# Altium PCB openmv-ae3.PcbDoc (part 1 of 3) (continued)
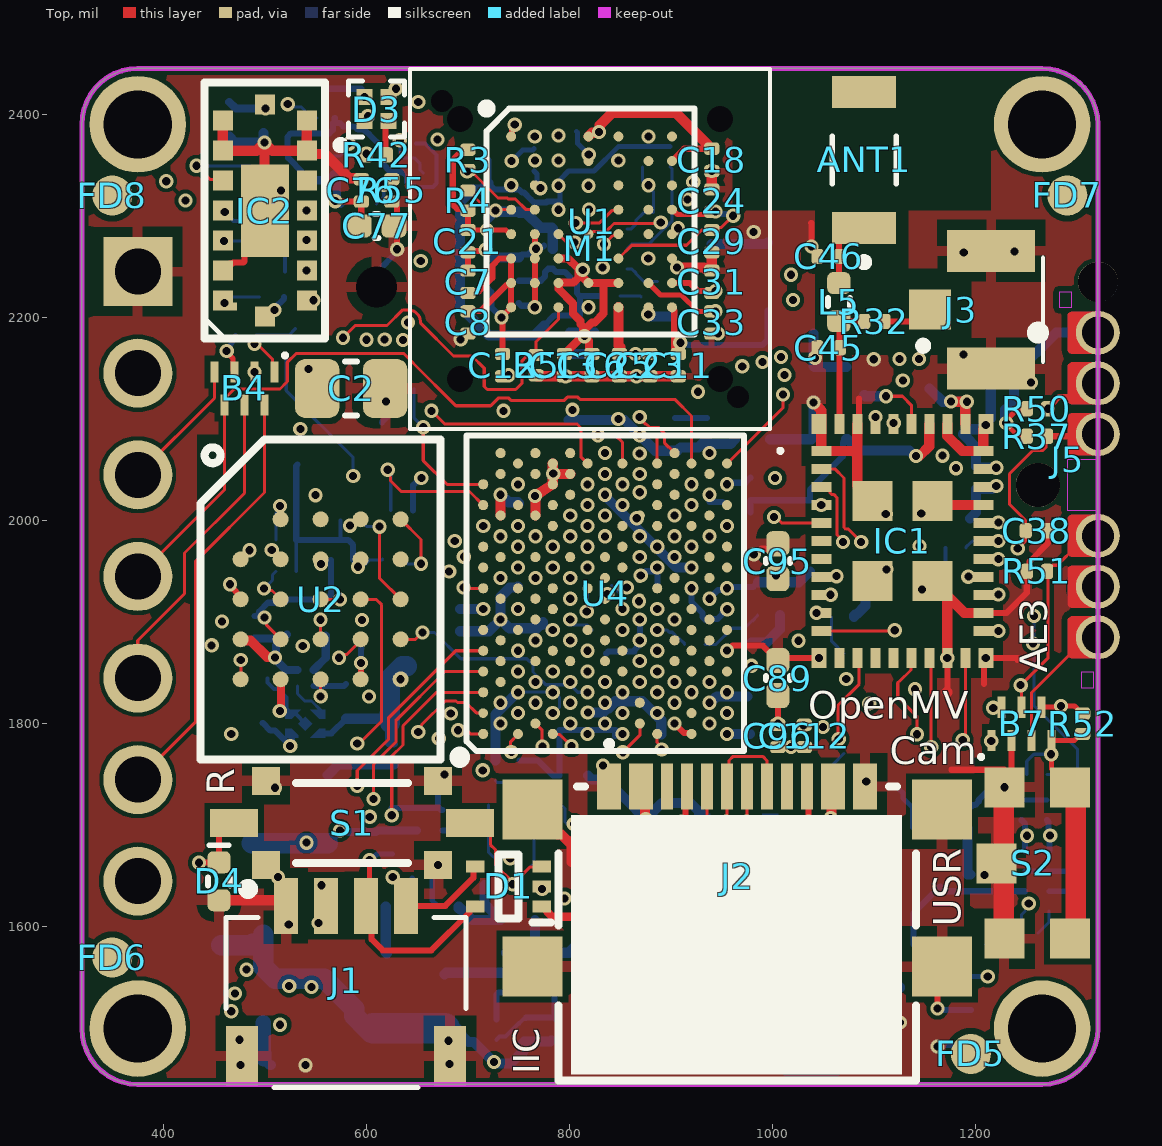
[diagram p0: Top view]
## Footprints (in the part's own frame and the unit in brackets; to place one, negate y for a bottom-side part, rotate by r counter-clockwise, add the part's x,y. Pads: shape width x height; smd on the part's side, far side on the other; paste and mask are expansions set on the pad) (continued)
  silkscreen extent -2.72,-2.81 2.58,2.93, body extent -2.52,-2.74 2.48,2.74, height 0.8
PUSB3TB6AZ [mm]
  rect 0.53x0.2 smd mask+0.05: 1(-0.415,0.75) 2(-0.415,0.25) 3(-0.415,-0.25) 4(-0.415,-0.75) 5(0.415,-0.5) 6(0.415,0) 7(0.415,0.5)
  silkscreen extent -0.88,0.96 -0.78,1.06, body extent -0.6,-1.1 0.6,1.1, height 0.5
R0201#1 [mil] "0201 IPC-7351"
  rrect50% 12x15 smd mask+1.97: 1(-10,0) 2(10,0)
  body extent -12,-6 12,6, height 9
R0201#2 [mil]
  rrect50% 12x15 smd mask+1.97: 1(-11,0) 2(11,0)
  body extent -12,-6 12,6, height 9
SIT1533AIH4AA332768E [mm]
  rect 0.4x1.4 smd: 1(-0.8,0) 3(0.8,0)
  rect 0.3x0.5 smd: 2(-0.1,-0.45) 4(0.1,0.45)
  silkscreen extent -2.9,-0.05 -2.8,0.05, body extent -1.01,-0.6 0.99,0.6, height 0.6
SON45P300X300X80-13N [mm]
  rrect50% 0.85x0.25 smd mask+0.051: 1(-1.45,1.125) 2(-1.45,0.675) 3(-1.45,0.225) 4(-1.45,-0.225) 5(-1.45,-0.675) 6(-1.45,-1.125) 7(1.45,-1.125) 8(1.45,-0.675) 9(1.45,-0.225) 10(1.45,0.225) 11(1.45,0.675) 12(1.45,1.125)
  rect 1.65x2.55 smd paste-0.254 mask+0.051: 13(0,0)
  silkscreen extent -1.81,-1.5 1.5,1.65, body extent -1.5,-1.5 1.5,1.5, height 0.5
SOP65P210X110-6N [mm]
  rect 0.95x0.45 smd: 1(-1.1,0.65) 2(-1.1,0) 3(-1.1,-0.65) 4(1.1,-0.65) 5(1.1,0) 6(1.1,0.65)
  silkscreen extent -1.58,-1 0.28,1.22, body extent -1.05,-1 1.05,1, height 1
SOTFL50P160X60-5N [mm]
  rect 0.46x0.3 smd: 1(-0.83,0.5) 2(-0.83,0) 3(-0.83,-0.5) 4(0.83,-0.5) 5(0.83,0.5)
  silkscreen extent -1.06,-0.8 0.25,0.9, body extent -0.8,-0.8 0.8,0.8, height 0.6
SPH0645LM4H18 [mm]
  rect 0.6x0.522 smd: 1(-0.9,2.074) 2(-0.9,1.252) 4(0.9,1.252) 5(0.9,2.074) 6(0,2.074)
  round 1.624 / inner round 0 / far side round 0 hole 1.024: 3(0,0)
  silkscreen extent -1.8,-1 1.33,2.12, body extent -1.33,-1.04 1.32,2.46, height 0.98
TC7USB42MU,LF(S2E [mm]
  rect 0.757x0.204 smd paste+0 mask+0: 1(-0.645,0.2) 2(-0.645,-0.2) 6(0.645,-0.2) 7(0.645,0.2)
  rect 0.204x0.757 smd paste+0 mask+0: 3(-0.4,-0.848) 4(0,-0.848) 5(0.4,-0.848) 8(0.4,0.848) 9(0,0.848) 10(-0.4,0.848)
  silkscreen extent -1.1,1 -0.9,1.2, body extent -0.7,-0.9 0.7,0.9, height 0.5
TPS62826ADMQR [mm]
  rect 0.6x0.25 smd mask+0.05: 1(-0.65,0.5) 2(-0.65,0) 3(-0.65,-0.5)
  rect 1x0.25 smd mask+0.05: 4(0.45,-0.5) 5(0.45,0) 6(0.45,0.5)
  silkscreen extent -1,0.75 -0.9,0.85, body extent -0.76,-0.74 0.73,0.74, height 0.5
VL53L5CXV0GC1 [mm]
  rect 0.5x0.5 smd: A1(2.25,-1.05) A2(1.5,-1.05) A3(0.75,-1.05) A4(0,-1.05) A5(-0.75,-1.05) A6(-1.5,-1.05) A7(-2.25,-1.05) B1(2.65,0) B7(-2.65,0) C1(2.25,1.05) C2(1.5,1.05) C3(0.75,1.05) C4(0,1.05) C5(-0.75,1.05) C6(-1.5,1.05) C7(-2.25,1.05)
  rect 0.2x0.1 smd: A8(2.4,-0.75)
  rect 2.316x1.2 smd: B4(0,0)
  silkscreen extent -3.2,-1.5 3.2,1.5, body extent -3.54,-2.22 4.19,2.06, height 4.5
VREG_TCR2LN30_LF [mm]
  rect 0.1x0.1 smd paste-1 mask+0: 1(-0.34,0.24) 2(-0.34,-0.24) 3(0.34,-0.24) 4(0.34,0.24) 5(0,0)
  Top region: 0.177,0 0,-0.177 -0.177,0 0,0.177
  Top region: -0.12,-0.35 -0.5,-0.35 -0.5,-0.13 -0.34,-0.13
  Top region: 0.5,0.13 0.34,0.13 0.12,0.35 0.5,0.35
  Top region: 0.5,-0.35 0.12,-0.35 0.34,-0.13 0.5,-0.13
  Top region: -0.18,0.29 -0.34,0.13 -0.5,0.13 -0.5,0.35 -0.18,0.35
  silkscreen extent -1.07,0.28 -0.92,0.42, body extent -0.4,-0.4 0.4,0.4, height 0.4
XTAL_2016 [mm] "2.0x1.6mm"
  rrect20% 0.75x0.7 smd mask+0.05: 1(-0.675,-0.5) 2(0.675,-0.5) 3(0.675,0.5) 4(-0.675,0.5)
  body extent -1,-0.8 1,0.8, height 0.65
XTAL_ABS07-32.768KHZ-7-T [mm] "XTAL_ABS07-32.768KHZ-7-T"
  rect 1.1x1.6 smd: 1(-1.25,0) 2(1.25,0)
  silkscreen extent -0.38,-0.75 0.38,0.75, body extent -1.6,-0.7 1.6,0.7, height 1

## Part data
ANT1: "ABRACON - AMCA31-2R450G-S1F-T3 - ANTENNA, CHIP, 2.45GHZ, 50 OHM, 1206   Source:  Datasheet", MANUFACTURER_NAME=ABRACON, DeviceSetName=AMCA31-2R450G-S1F-T3, GateName_1=G$1, HEIGHT=1.4mm, LibraryName=AMCA31-2R450G-S1F-T3, MANUFACTURER_PART_NUMBER=AMCA31-2R450G-S1F-T3, MOUSER_PART_NUMBER=815-CA312R450GS1FT3, MOUSER_PRICE-STOCK=https://www.mouser.co.uk/ProductDetail/ABRACON/AMCA31-2R450G-S1F-T3?qs=AAveGqk956GLuOddQEK40Q%3D%3D, MPN=AMCA31-2R450G-S1F-T3, Part Number=AMCA31-2R450G-S1F-T3, SymbolName_1=AMCA31-2R450G-S1F-T3
B1: library part TPS62826ADMQR, "Switching Voltage Regulators 2.4-V to 5.5-V input, 1-A step-down converter in 1.5-mm 1.5-mm QFN package", MANUFACTURER_NAME="Texas Instruments", MANUFACTURER_PART_NUMBER=TPS62824DMQR, Mouser Part Number=595-TPS62824DMQR, Datasheet Link=https://www.ti.com/lit/ds/symlink/tps62825a.pdf?ts=1608196934558&ref_url=https%253A%252F%252Fwww.ti.com%252Fstore%252Fti%252Fen%252Fp%252Fproduct%252F%253Fp%253DTPS62825ADMQR%2526keyMatch%253DTPS62825ADMQR%2526tisearch%253DSearch-EN-everything%2526usecase, Geometry.Height=1mm, Mouser Price/Stock=https://www.mouser.co.uk/ProductDetail/Texas-Instruments/TPS62826ADMQR?qs=KUoIvG%2F9Ila3pPUbedlDEw%3D%3D, MPN=TPS62824ADMQR, Part Number=TPS62824ADMQR
B2: library part TPS62826ADMQR, "Switching Voltage Regulators 2.4-V to 5.5-V input, 3-A step-down converter with in 1.5-mm 1.5-mm QFN package", MANUFACTURER_NAME="Texas Instruments", MANUFACTURER_PART_NUMBER=TPS62826DMQR, Mouser Part Number=595-TPS62826DMQR, Datasheet Link=https://www.ti.com/lit/ds/symlink/tps62825a.pdf?ts=1608196934558&ref_url=https%253A%252F%252Fwww.ti.com%252Fstore%252Fti%252Fen%252Fp%252Fproduct%252F%253Fp%253DTPS62825ADMQR%2526keyMatch%253DTPS62825ADMQR%2526tisearch%253DSearch-EN-everything%2526usecase, Geometry.Height=1mm, Mouser Price/Stock=https://www.mouser.co.uk/ProductDetail/Texas-Instruments/TPS62826ADMQR?qs=KUoIvG%2F9Ila3pPUbedlDEw%3D%3D, MPN=TPS62824DMQR, Part Number=TPS62824DMQR
B3: library part TPS62826ADMQR, "Switching Voltage Regulators 2.4-V to 5.5-V input, 1-A step-down converter in 1.5-mm 1.5-mm QFN package", MANUFACTURER_NAME="Texas Instruments", Mouser Part Number=595-TPS62824DMQR, Datasheet Link=https://www.ti.com/lit/ds/symlink/tps62825a.pdf?ts=1608196934558&ref_url=https%253A%252F%252Fwww.ti.com%252Fstore%252Fti%252Fen%252Fp%252Fproduct%252F%253Fp%253DTPS62825ADMQR%2526keyMatch%253DTPS62825ADMQR%2526tisearch%253DSearch-EN-everything%2526usecase, Geometry.Height=1mm, MANUFACTURER_PART_NUMBER=TPS62824DMQR, Mouser Price/Stock=https://www.mouser.co.uk/ProductDetail/Texas-Instruments/TPS62826ADMQR?qs=KUoIvG%2F9Ila3pPUbedlDEw%3D%3D, MPN=TPS62824DMQR, Part Number=TPS62824DMQR
B4 B7: "NEXPERIA - PUSB3TB6AZ - DIODE, ESD PROTECTION, 5.5V, 0.27PF", MANUFACTURER_NAME=Nexperia, Mouser Part Number=771-PUSB3TB6AZ, Datasheet Link=https://assets.nexperia.com/documents/data-sheet/PUSB3TB6.pdf, Geometry.Height=0.5mm, MANUFACTURER_PART_NUMBER=PUSB3TB6AZ, Mouser Price/Stock=https://www.mouser.co.uk/ProductDetail/Nexperia/PUSB3TB6AZ?qs=K2OaAKmNuLgsAI4MRas6Xw%3D%3D, MPN=PUSB3TB6AZ, Part Number=PUSB3TB6AZ
B5 B6: "Dual supply translating transceiver; open drain; auto direction sensing", MANUFACTURER_NAME=Nexperia, Mouser Part Number=771-NXS0102GTX, Datasheet Link=https://assets.nexperia.com/documents/data-sheet/NXS0102.pdf, Geometry.Height=0.5mm, MANUFACTURER_PART_NUMBER=NXS0102GTX, Mouser Price/Stock=https://www.mouser.co.uk/ProductDetail/Nexperia/NXS0102GTX?qs=GBLSl2AkirukzzJX55VgJA%3D%3D, MPN=NXS0102GTX, Part Number=NXS0102GTX
C1 C4 C47 C48 C49 C55 C59 C68 C69 C70 C75 C77 C87 C89 C92 C95 C102 C105 C110 C119: library part CAP0402-CAP, "CapacitorStandard 0603 ceramic capacitor, and 0.1\" leaded capacitor.", MPN=JMK105BBJ475MV-F, DeviceName=0402-CAP, DeviceSetName=CAP, GateName_1=G$1, LibraryName=sfe, Part Number=JMK105BBJ475MV-F, SymbolName_1=CAP
C2 C5 C63 C66 C71 C88 C91 C94 C104: library part 22UF-0805-6.3V-20%, "22ÂµF ceramic capacitors    A capacitor is a passive two-terminal electrical component used to store electrical energy temporarily in an electric field.", MPN=CL21A226MQQNNNE, DeviceName=-0805-6.3V-20%, DeviceSetName=22UF, GateName_1=G$1, LibraryName=SparkFun-Capacitors, PROD_ID=CAP-08402, SymbolName_1=CAP
  C2 C63 C66 C71 C88 C91 C94 C104: Part Number=CL21A226MQQNNNE
C3 C7 C8 C11 C12 C13 C14 C15 C16 C17 C18 C19 C21 C23 C24 C25 C26 C27 C28 C29 C31 C33 C37 C38 C39 C40 C41 C42 C43 C44 C50 C51 C54 C56 C57 C58 C62 C76 C79 C80 C81 C83 C84 C85 C86 C90 C93 C96 C97 C98 C99 C100 C101 C103 C106 C107 C108 C111 C117 C118: library part C-EUC0201, "CAPACITOR, European symbol", MPN=GRM033R60J224ME15D, DeviceName=C0201, DeviceSetName=C-EU, GateName_1=G$1, LibraryName=rcl, Part Number=GRM033R60J224ME15D, POPULARITY=0, SPICEPREFIX=C, SymbolName_1=C-EU
C6 C9 C10 C30 C32 C36 C72 C74 C78 C82: library part CAP_0402, "0402 (1005 Metric) Nick Garner - TeleSense", MPN=JMK105BBJ475MV-F, DeviceSetName=CAP_0402, GateName_1=G$1, LibraryName=0402, SymbolName_1=CAP
C20 C22 C34 C35: library part C-EUC0201, "CAPACITOR, European symbol", DeviceName=C0201, DeviceSetName=C-EU, GateName_1=G$1, LibraryName=rcl, MPN=DNP, Part Number=DNP, POPULARITY=0, SPICEPREFIX=C, SymbolName_1=C-EU
C45: "Chip Capacitor value 1R5   Source:  Datasheet", MANUFACTURER_NAME="Murata Electronics", DeviceSetName=GRM0335C1H1R5BA01D, GateName_1=G$1, HEIGHT=0.33mm, LibraryName=GRM0335C1H1R5BA01D, MANUFACTURER_PART_NUMBER=GRM0335C1H1R5BA01D, MOUSER_PART_NUMBER=81-GRM0335C1H1R5BA1D, MOUSER_PRICE-STOCK=https://www.mouser.co.uk/ProductDetail/Murata-Electronics/GRM0335C1H1R5BA01D?qs=7vGxPDjevFPFqveGwv%252BPUQ%3D%3D, MPN=GRM0335C1H1R5BA01D, Part Number=GRM0335C1H1R5BA01D, SymbolName_1=GRM0335C1H1R5BA01D
C46: library part GRM0335C1H1R5BA01D, "Chip Capacitor value 1R5   Source:  Datasheet", MANUFACTURER_NAME="Murata Electronics", DeviceSetName=GRM0335C1H1R5BA01D, GateName_1=G$1, HEIGHT=0.33mm, LibraryName=GRM0335C1H1R5BA01D, MANUFACTURER_PART_NUMBER=GRM0335C1H1R5BA01D, MOUSER_PART_NUMBER=81-GRM0335C1H1R5BA1D, MOUSER_PRICE-STOCK=https://www.mouser.co.uk/ProductDetail/Murata-Electronics/GRM0335C1H1R5BA01D?qs=7vGxPDjevFPFqveGwv%252BPUQ%3D%3D, MPN=DNP, Part Number=DNP, POPULATE=0, SymbolName_1=GRM0335C1H1R5BA01D
C52: library part CAP0402-CAP, "Capacitor", MPN=VJ0402Y102JXACW1BC, DeviceName=0402-CAP, DeviceSetName=CAP, GateName_1=G$1, LibraryName=sfe, Part Number=VJ0402Y102JXACW1BC, SymbolName_1=CAP
C53: library part C-EUC0201, "CAPACITOR, European symbol", MPN=0402B103K250CT, DeviceSetName=C-EU, GateName_1=G$1, LibraryName=rcl, Part Number=0402B103K250CT, POPULARITY=0, SPICEPREFIX=C, SymbolName_1=C-EU
C60 C61: library part C-EUC0201, "CAPACITOR, European symbol", MPN=GRM0335C1H470GA01J, DeviceName=C0201, GateName_1=G$1, Part Number=GRM0335C1H470GA01J, POPULARITY=0, SPICEPREFIX=C, SymbolName_1=C-EU
C64: library part CAP0402-CAP, "CapacitorStandard 0603 ceramic capacitor, and 0.1\" leaded capacitor.", MPN=CL05A475MP5NRNC, DeviceName=0402-CAP, DeviceSetName=CAP, GateName_1=G$1, LibraryName=sfe, Part Number=CL05A475MP5NRNC, SymbolName_1=CAP
C65 C67 C73 C120: library part CAP0402-CAP, MPN=GRM033R71H121KA12D, DeviceSetName=CAP, GateName_1=G$1, LibraryName=sfe, Part Number=GRM033R71H121KA12D, SymbolName_1=CAP
C109 C112 C113 C114 C115 C116: library part C-EUC0201, "CAPACITOR, European symbol", MPN=CL03A105MQ3CSNC, DeviceName=C0201, DeviceSetName=C-EU, GateName_1=G$1, LibraryName=rcl, Part Number=CL03A105MQ3CSNC, POPULARITY=0, SPICEPREFIX=C, SymbolName_1=C-EU
D1: library part DF5A5.6CJE,LM, "Diode", MANUFACTURER_NAME=Toshiba, Mouser Part Number=757-DF5A6.2CJE,LM, Arrow Part Number=DF5A6.2CJE,LM, HEIGHT=0.6mm, MANUFACTURER_PART_NUMBER=DF5A6.2CJE,LM, MPN=DF5A6.2CJE,LM, Part Number=DF5A6.2CJE,LM
D2: "Diode", MANUFACTURER_NAME="Texas Instruments", MANUFACTURER_PART_NUMBER=c, Mouser Part Number=595-LM66100DCKR, Arrow Part Number=LM66100DCKR, Arrow Price/Stock=null?region=nac, Datasheet Link=http://www.ti.com/lit/gpn/LM66100, HEIGHT=1.1mm, Mouser Price/Stock=https://www.mouser.co.uk/ProductDetail/Texas-Instruments/LM66100DCKR?qs=vLWxofP3U2y2yPPrXoBBoA%3D%3D, MPN=LM66100DCKR, Part Number=LM66100DCKR
D3: "LED RGB SMD, SIZE 1 X 1 mm Check availability", MPN=UHD1110-FKA-CL1A13r3q1BBQFMF3, PACKAGE="0404 Cree Inc.", AVAILABILITY="In Stock", DeviceSetName=UHD1110-FKA-CL1A13R3Q1BBQFMF3, GateName_1=G$1, LibraryName=UHD1110-FKA-CL1A13R3Q1BBQFMF3, MF="Cree Inc.", MP=UHD1110-FKA-CL1A13R3Q1BBQFMF3, Part Number=UHD1110-FKA-CL1A13r3q1BBQFMF3, PRICE=None, PURCHASE-URL=https://pricing.snapeda.com/search/part/UHD1110-FKA-CL1A13R3Q1BBQFMF3/?ref=eda, SymbolName_1=UHD1110-FKA-CL1A13R3Q1BBQFMF3
D4: "ESD Suppressors / TVS Diodes DIODE ESD 5VWM 65W 0402/SOD-923F   Source:  Datasheet", MANUFACTURER_NAME="Comchip Technology", DeviceSetName=CPDQT5V0HE-HF, GateName_1=G$1, HEIGHT=0.42mm, LibraryName=CPDQT5V0HE-HF, MANUFACTURER_PART_NUMBER=CPDQT5V0HE-HF, MOUSER_PART_NUMBER=MOUSER_PART_NUMBER, MOUSER_PRICE-STOCK=MOUSER_PRICE-STOCK, MPN=CPDQT5V0HE-HF, Part Number=CPDQT5V0HE-HF, SymbolName_1=CPDQT5V0HE-HF
FD1 FD2 FD3 FD4 FD5 FD6 FD7 FD8: "Fiducial Alignment Points    Point-of-reference for pick-and-place machines and other optical instruments.", DeviceName=1X2, DeviceSetName=FIDUCIAL, GateName_1=G$1, LibraryName=SparkFun-Aesthetics, SymbolName_1=FIDUCIAL
FL1: "Common Mode Filter & ESD Prot. USB uQFN8 STMicroelectronics ECMF02 Series, Signal Filter uQFN SMD, Flat Contact Termination, 2.6 x 1.3 x 0.6mm   Source:  Datasheet", MANUFACTURER_NAME=STMicroelectronics, DeviceSetName=ECMF02-4CMX8, GateName_1=G$1, HEIGHT=mm, LibraryName=ECMF02-4CMX8, MANUFACTURER_PART_NUMBER=ECMF02-4CMX8, MOUSER_PART_NUMBER=511-ECMF02-4CMX8, MOUSER_PRICE-STOCK=https://www.mouser.co.uk/ProductDetail/STMicroelectronics/ECMF02-4CMX8?qs=xYt8xtm2zhmK7GoDlDZR3A%3D%3D, MPN=ECMF02-4CMX8, Part Number=ECMF02-4CMX8, SymbolName_1=ECMF02-4CMX8
IC1: "Integrated Circuit", MANUFACTURER_NAME="Murata Electronics", Mouser Part Number=81-LBEE5KL1YN-814, Arrow Part Number=LBEE5KL1YN-814, Arrow Price/Stock=https://www.arrow.com/en/products/lbee5kl1yn-814/murata-manufacturing?region=nac, Datasheet Link=https://www.murata.com/products/productdata/8815814344734/type1yn.pdf, HEIGHT=1.1mm, MANUFACTURER_PART_NUMBER=LBEE5KL1YN-814, Mouser Price/Stock=https://www.mouser.co.uk/ProductDetail/Murata-Electronics/LBEE5KL1YN-814?qs=TCDPyi3sCW1FrH0sh%252Bb5wA%3D%3D, MPN=LBEE5KL1YN-814, Part Number=LBEE5KL1YN-814
IC2: "Integrated Circuit", Arrow Part Number=VL53L5CXV0GC/1, MANUFACTURER_NAME=STMicroelectronics, Mouser Part Number=511-VL53L5CXV0GC/1, Arrow Price/Stock=https://www.arrow.com/en/products/vl53l5cxv0gc1/stmicroelectronics?region=nac, Datasheet Link=https://www.arrow.com/en/products/vl53l5cxv0gc1/stmicroelectronics?region=nac, HEIGHT=1.55mm, MANUFACTURER_PART_NUMBER=VL53L5CXV0GC/1, Mouser Price/Stock=https://www.mouser.co.uk/ProductDetail/STMicroelectronics/VL53L5CXV0GC-1?qs=QNEnbhJQKvZPmRJw6ASPyw%3D%3D, MPN=VL53L5CXV0GC/1, Part Number=VL53L5CXV0GC/1
IC3: "Integrated Circuit", MANUFACTURER_NAME=Knowles, Mouser Part Number=721-SPH0645LM4H-1-8, Datasheet Link=https://www.knowles.com/docs/default-source/default-document-library/sph0645lm4h-1-datasheet.pdf?Status=Master&sfvrsn=751076b1_2, HEIGHT=1.08mm, MANUFACTURER_PART_NUMBER=SPH0645LM4H-1-8, Mouser Price/Stock=https://www.mouser.co.uk/ProductDetail/Knowles/SPH0645LM4H-1-8?qs=TuK3vfAjtkXP9L009Fh60A%3D%3D, MPN=SPH0645LM4H-1-8, Part Number=SPH0645LM4H-1-8
J1: library part CMP-026-000000-1, "SH Series 1.0 mm Pitch 2 Position Single Row Side Entry Shrouded Header", PACKAGE=None, AVAILABILITY=Unavailable, Component Type=Standard, Design Item ID=SM04B-SRSS-TB(LF)(SN), MP=SM04B-SRSS-TB(LF)(SN), MPN=SM04B-SRSS-TB(LF)(SN), Part Number=SM04B-SRSS-TB(LF)(SN), Pin Count=6, PRICE=None, Source=SM04B-SRSS-TB(LF)(SN).SchLib
J2: "Connector", MANUFACTURER_NAME="Amphenol Communications Solutions", Datasheet Link=https://cdn.amphenol-cs.com/media/wysiwyg/files/drawing/gsb1c41x10sshr-ax1.pdf, HEIGHT=3.41mm, MANUFACTURER_PART_NUMBER=GSB1C41110SSHR, MPN=GSB1C41110SSHR, Part Number=GSB1C41110SSHR
J3: library part 2337019-1, "RF Connectors / Coaxial Connectors MicroCoax receptacle UMCC Gen 1   Source:  Datasheet", MANUFACTURER_NAME="TE Connectivity", DeviceSetName=2337019-1, GateName_1=G$1, HEIGHT=1.4mm, LibraryName=2337019-1, MANUFACTURER_PART_NUMBER=2337019-1, MOUSER_PART_NUMBER=571-2337019-1, MOUSER_PRICE-STOCK=https://www.mouser.co.uk/ProductDetail/TE-Connectivity/2337019-1?qs=l4Gc20tDgJIuN7nS9rJkJw%3D%3D, MPN=DNP, Part Number=DNP, POPULATE=0, SymbolName_1=2337019-1
J4: library part M20-9770746, "Connector", MANUFACTURER_NAME=Harwin, Mouser Part Number=855-M20-9770746, Datasheet Link=https://cdn.harwin.com/pdfs/M20-977.pdf, HEIGHT=8.44mm, MANUFACTURER_PART_NUMBER=M20-9770746, Mouser Price/Stock=https://www.mouser.co.uk/ProductDetail/Harwin/M20-9770746?qs=Jph8NoUxIfW4IDi91nhySw%3D%3D, MPN=DNP, Part Number=DNP
J5: "Tag-Connect Edge-Connect ECV3-06 No-Solder Debug Castellated Pads Connector DO NOT PLACE NO BOM"
L1: "Ind,3.2x2.5x1mm,2.2uH?20%,4A,shd", MANUFACTURER_NAME=Bourns, Mouser Part Number=652-SRP3212-2R2M, Datasheet Link=https://www.bourns.com/pdfs/CVH.pdf, Geometry.Height=1mm, MANUFACTURER_PART_NUMBER=SRP3212-2R2M, Mouser Price/Stock=https://www.mouser.co.uk/ProductDetail/Bourns/SRP3212-2R2M?qs=t7xnP681wgW9NT%2FfJNx1CA%3D%3D, MPN=SRP3212-2R2M, Part Number=SRP3212-2R2M
L5: library part INDUCTOR-0402-3.9NH, "Inductors    Resist changes in electrical current. Basically a coil of wire.   SparkFun Products:  SparkFun Load Cell Amplifier - HX711  IOIO-OTG - V2.2", MPN=L-07C3N9SV6T, DeviceName=-0402-3.9NH, DeviceSetName=INDUCTOR, GateName_1=G$1, LibraryName=SparkFun-Coils, Part Number=L-07C3N9SV6T, PROD_ID=NDUC-13457, SymbolName_1=INDUCTOR
L6: "INDUCTOR, METAL CORE Check availability", PACKAGE="2016 Taiyo Yuden", AVAILABILITY="In Stock", DeviceSetName=MAKK2016T2R2M, GateName_1=G$1, LibraryName=MAKK2016T2R2M, MF="Taiyo Yuden", MP=MAKK2016T2R2M, MPN=MAKK2016T2R2M, Part Number=MAKK2016T2R2M, PRICE=None, PURCHASE-URL=https://pricing.snapeda.com/search/part/MAKK2016T2R2M/?ref=eda, SymbolName_1=MAKK2016T2R2M
L7: library part INDUCTOR, "InductorsBasic Inductor/Choke - 0603 and 1206. Footprints are not proven and vary greatly between part numbers.", GateName_1=G$1, MPN=MFBM1V1608-101-R, Part Number=MFBM1V1608-101-R
L8 L9 L10: library part CMP-00002-1, "Power Inductor : LxW size(mm) 2012 Thickness1 Inductance (uH) 20%: 0.47", Case Code (Imperial)=0805, Case Code (Metric)=2012, Current Rating=3.6A, DC Resistance (DCR)=31mR, Max Operating Temperature=125°C, Min Operating Temperature=-40°C, Saturation Current=5.4A, Test Frequency=1MHz, Tolerance=20%, Case/Package=0805, Core Material=Metal,Composite, Mounting Technology="Surface Mount", MPN=CIGT201210UHR47MNE, Packaging="Cut Tape", Part Number=CIGT201210UHR47MNE, RoHS Compliant=Yes, Series=CIGT, Shielding=Unshielded
M1: library part M7_M8_LENS_MOUNT
Q1 Q2 Q3 Q4 Q5 Q6: MPN=SSM3K56ACT,L3F, Part Number=SSM3K56ACT,L3F
R1 R2 R8 R10 R32: library part RESISTOR0402-RES, DeviceSetName=RESISTOR, GateName_1=G$1, LibraryName=sfe, SymbolName_1=RESISTOR
  R8 R10 R32: MPN=DNP, Part Number=DNP
R3 R4 R29 R30: library part RESISTOR0402-RES, MPN=RC0201JR-072K7L, DeviceSetName=RESISTOR, GateName_1=G$1, LibraryName=sfe, Part Number=RC0201JR-072K7L, SymbolName_1=RESISTOR
R5 R9 R11 R13 R19 R21 R23 R24 R25 R34 R35 R44 R45 R46 R49 R50 R51 R54 R55 R56: library part RESISTOR0402-RES, MPN=RMCF0201FT100K, DeviceSetName=RESISTOR, GateName_1=G$1, LibraryName=sfe, Part Number=RMCF0201FT100K, SymbolName_1=RESISTOR
R6 R7 R18 R36 R37 R52 R53: library part RESISTOR0402-RES, MPN=RMCF0201FT10K0, DeviceSetName=RESISTOR, GateName_1=G$1, LibraryName=sfe, Part Number=RMCF0201FT10K0, SymbolName_1=RESISTOR
R12 R15 R43: library part RESISTOR0402-RES, "ResistorBasic schematic elements and footprints for 0603, 1206, and PTH resistors.", MPN=AC0201FR-075K1L, DeviceSetName=RESISTOR, GateName_1=G$1, LibraryName=sfe, Part Number=AC0201FR-075K1L, SymbolName_1=RESISTOR
R14: library part RESISTOR0402-RES, "Resistor", MPN=CRCW04021M00FKEDC, DeviceName=0402-RES, DeviceSetName=RESISTOR, GateName_1=G$1, LibraryName=sfe, Part Number=CRCW04021M00FKEDC, SymbolName_1=RESISTOR
R16 R17: library part RESISTOR0402-RES, MPN=RC0201JR-0727RL, DeviceSetName=RESISTOR, GateName_1=G$1, LibraryName=sfe, Part Number=RC0201JR-0727RL, SymbolName_1=RESISTOR
R20: library part RESISTOR0402-RES, MPN=ERJ-1GNF4533C, DeviceSetName=RESISTOR, GateName_1=G$1, LibraryName=sfe, Part Number=ERJ-1GNF4533C, SymbolName_1=RESISTOR
R22: library part RESISTOR0402-RES, MPN=RC0201JR-07200KL, DeviceSetName=RESISTOR, GateName_1=G$1, LibraryName=sfe, Part Number=RC0201JR-07200KL, SymbolName_1=RESISTOR
R26 R27 R28 R31: library part RESISTOR0402-RES, MPN=RMCF0201FT47K0, DeviceSetName=RESISTOR, GateName_1=G$1, LibraryName=sfe, Part Number=RMCF0201FT47K0, SymbolName_1=RESISTOR
R38 R39: library part RESISTOR0402-RES, MPN=CR0201-FW-2000GLF, DeviceSetName=RESISTOR, GateName_1=G$1, LibraryName=sfe, Part Number=CR0201-FW-2000GLF, SymbolName_1=RESISTOR
R41: library part RESISTOR0402-RES, "ResistorBasic schematic elements and footprints for 0603, 1206, and PTH resistors.", MPN=RMCF0201FT1K00, DeviceSetName=RESISTOR, GateName_1=G$1, LibraryName=sfe, Part Number=RMCF0201FT1K00, SymbolName_1=RESISTOR
R42: library part RESISTOR0402-RES, "ResistorBasic schematic elements and footprints for 0603, 1206, and PTH resistors.", MPN=RMCF0201FT10K0, DeviceSetName=RESISTOR, GateName_1=G$1, LibraryName=sfe, Part Number=RMCF0201FT10K0, SymbolName_1=RESISTOR
R47: library part RESISTOR0402-RES, MPN=RMCF0201JT10R0, DeviceSetName=RESISTOR, GateName_1=G$1, LibraryName=sfe, Part Number=RMCF0201JT10R0, SymbolName_1=RESISTOR
R48: library part RESISTOR0402-RES, MPN=RMCF0201FT1K00, DeviceSetName=RESISTOR, GateName_1=G$1, LibraryName=sfe, Part Number=RMCF0201FT1K00, SymbolName_1=RESISTOR
S1: "Switch", MANUFACTURER_NAME="Nidec Copal", Mouser Part Number=229-CVS-01TB, Arrow Part Number=CVS-01TB, Arrow Price/Stock=https://www.arrow.com/en/products/cvs-01tb/nidec-copal-electronics, Datasheet Link=https://www.mouser.com/datasheet/2/972/cvs-1827291.pdf, HEIGHT=1.45mm, MANUFACTURER_PART_NUMBER=CVS-01TB, Mouser Price/Stock=https://www.mouser.co.uk/ProductDetail/Nidec-Components/CVS-01TB?qs=XeJtXLiO41SVso1ahlfkxQ%3D%3D, MPN=CVS-01TB, Part Number=CVS-01TB
U2: library part IS25WX256-JHLE, "IC, Flash,32MB x 8, Octal SPI, Ind Temp, 1.8V,24-BGA", MF=ISSI, MPN=MX25UM25645GXDI00-T, Part Number=MX25UM25645GXDI00-T
U4: library part E7_B0_CSP_208, "IC,Alif E7 MCU, Rev B silicon,CSP208", Manufacturer 1="Alif Semi", Manufacturer Part Number 1=AE722F80F55D5AS, MPN=AE302F80F55D5AE, Part Number=AE302F80F55D5AE
U5: library part TC7USB42MU,LF(S2E, MF=Toshiba, MPN=TC7USB42MU,LF(S2E, Part Number=TC7USB42MU,LF(S2E
U6: library part FT234XD-T, "USB Bridge, USB to UART USB 2.0 UART Interface 12-DFN _3x3_", MF=FTDI,, MPN=FT234XD-T, Part Number=FT234XD-T
U7: library part LSM6DSMTR, "Accelerometer, Gyroscope, Temperature, 6 Axis Sensor IÂ²C, SPI Output", PACKAGE="VFLGA-14 STMicroelectronics", AVAILABILITY=Unavailable, Component Type=Standard, Design Item ID=LSM6DSMTR, MF=STMicroelectronics, MP=LSM6DSMTR, MPN=LSM6DSMTR, Part Number=LSM6DSMTR, Pin Count=14, PRICE=None, SnapEDA_Link=https://www.snapeda.com/parts/LSM6DSMTR/STMicroelectronics/view-part/581716/?ref=snap, Source=SnapEDAsch.SchLib
U8: library part CMP-079-000000-1, "Linear Voltage Regulator IC Positive Fixed 1 Output 200mA 4-SDFN (0.8x0.8)", PACKAGE="XFDFN-4 Toshiba", AVAILABILITY="In Stock", Component Type=Standard, Design Item ID=TCR2LN28,LF(SE, MF="Toshiba Semiconductor", MP=TCR2LN28,LF(SE, MPN=TCR2LN28,LF(SE, Part Number=TCR2LN28,LF(SE, Pin Count=5, PRICE=None, Source=TCR2LN30_LF.SchLib
U9: library part AP22916CCA4-7, MF="Diodes Inc", MPN=AP22916CCA4-7, Part Number=AP22916CCA4-7
X1: "2.0X1.6X0.65MM 38.4MHZ CRYSTAL", MANUFACTURER_NAME="Murata Electronics", Datasheet Link=http://www.murata.com/products/productdata/8801066811422/SPEC-XRCGB38M400F4M00R0.pdf, Geometry.Height=0.7mm, MANUFACTURER_PART_NUMBER=XRCGB38M400F4M00R0, MPN=XRCGB38M400F4M00R0, Part Number=XRCGB38M400F4M00R0
Y1: library part SIT1533AI-H4-AA3-32.768E, "Crystal or Oscillator", MANUFACTURER_NAME=SiTime, Mouser Part Number=788-1533AIH4DCC32.76, Arrow Part Number=SiT1533AI-H4-DCC-32.768E, Datasheet Link=https://www.mouser.com/datasheet/2/371/SiT1533_datasheet-1324419.pdf, HEIGHT=0.6mm, MANUFACTURER_PART_NUMBER=SiT1533AI-H4-DCC-32.768E, Mouser Price/Stock=https://www.mouser.com/ProductDetail/SiTime/SiT1533AI-H4-DCC-32.768E?qs=5SDzjInHUKoUZz9ePr9JwA%3D%3D, MPN=SiT1533AI-H4-DCC-32.768E, Part Number=SiT1533AI-H4-DCC-32.768E
Y2: library part ABS07-32.768KHZ-7-T, "Check availability", PACKAGE="SMD-2 Abracon LLC", AVAILABILITY="In Stock", DeviceSetName=ABS07-32.768KHZ-7-T, GateName_1=G$1, LibraryName=ABS07-32.768KHZ-7-T, MF=Abracon, MP=ABS07-32.768KHZ-7-T, MPN=SC32S-7PF20PPM, Part Number=SC32S-7PF20PPM, PRICE=None, PURCHASE-URL=https://pricing.snapeda.com/search/part/ABS07-32.768KHZ-7-T/?ref=eda, SymbolName_1=ABS07-32.768KHZ-7-T
S2: MPN=KMS231GLFS, Part Number=KMS231GLFS
U1: MF=PixArt, MPN=PAG7936

## Free pads (board coordinates)
  round 95 hole 67: 1(375,1500) 1(375,2390) 1(1265,1500) 1(1265,2390)

## Via types
v1: diameter 14, hole 8, Top to Bottom, tented both sides, 183 vias
v2: diameter 14, hole 8, Top to L4-V, tented both sides, 147 vias
v3: diameter 14, hole 8, L7-PWR to Bottom, tented both sides, 83 vias
v4: diameter 14, hole 8, Top to L6-V, tented both sides, 69 vias
v5: diameter 14, hole 8, Top to Bottom, 1 vias

## Nets (pads, with @x,y where several pads share a name; then routed paths per layer and width w, separated by ;. In a path a pad name is that pad's centre, name@x,y a point inside that pad or via, vN(x,y) a via of type N, cw(c..) or ccw(c..) an arc to the next point about the centre after c; other vN are vias at no path point)
ANT: C45.1 IC1.41 L5.2 R32.2 | length 126.5
  Top w6: IC1.41@1065.49,2095.16 1065.49,2195.81 L5.2@1065,2196.3 1089.7,2196.3 R32.2@1090,2196
BL_USB_D_2_N: C60.2 R17.2 U5.4 | length 78.5
  Bottom w3: U5.4@998.41,1615 1025,1615 1029.93,1619.93 1029.93,1620.61 1034.31,1625 C60.2@1035,1625 1052,1625 1065,1638 R17.2@1065,1640
BL_USB_D_2_P: C61.2 R16.2 U5.5 | length 73.5
  Bottom w3: U5.5@998.41,1599.25 1033.25,1599.25 C61.2@1035,1601 1035.69,1601 1041,1606.31 1041,1607 1049,1615 R16.2@1065,1615
BL_USB_D_N: R17.1 U6.1 | length 78.5
  Bottom w3: R17.1@1085,1640 1085.74,1640.74 1093.74,1640.74 1107,1654 1107,1676 1114.11,1683.11 1117.36,1683.11 1120.71,1686.46 U6.1@1120.71,1697.09
BL_USB_D_P: R16.1 U6.12 | length 55.2
  Bottom w3: R16.1@1085,1615 1096,1615 1114.11,1596.89 1117.36,1596.89 1120.71,1593.54 U6.12@1120.71,1582.91
BT_D_WAKE: IC1.39 U4.J27 | length 998.8
  Top w3: v2(828,2084) 845,2084 852.01,2076.99 U4.J27@852.01,2056.14
  3-H w3: v2(828,2084) 759.08,2084 754.58,2088.5 670.23,2088.5 661.13,2079.4 650.77,2079.4 647.17,2083 591.25,2083 585.75,2077.5 529.82,2077.5 522.5,2084.82 522.5,2095.18 529.82,2102.5 540.18,2102.5 545.68,2097 617.1,2097 648.1,2128 675.9,2128 696.9,2107 716.32,2107 730.82,2121.5 808.18,2121.5 815.18,2114.5 884.5,2114.5 901,2098 1097,2098 v2(1101,2102)